# Altium PCB 2CH_PM_Simulator.PcbDoc (part 4 of 4)
Units mm, origin at the board's own origin, x right, y up, seen from the top; angles counter-clockwise.
Board outline 222.37 x 100 mm, 4 copper layers (L1, P2, P3, L4), stack 1.512 mm thick; 245 components, 202 nets, 1071 pads, 517 vias.
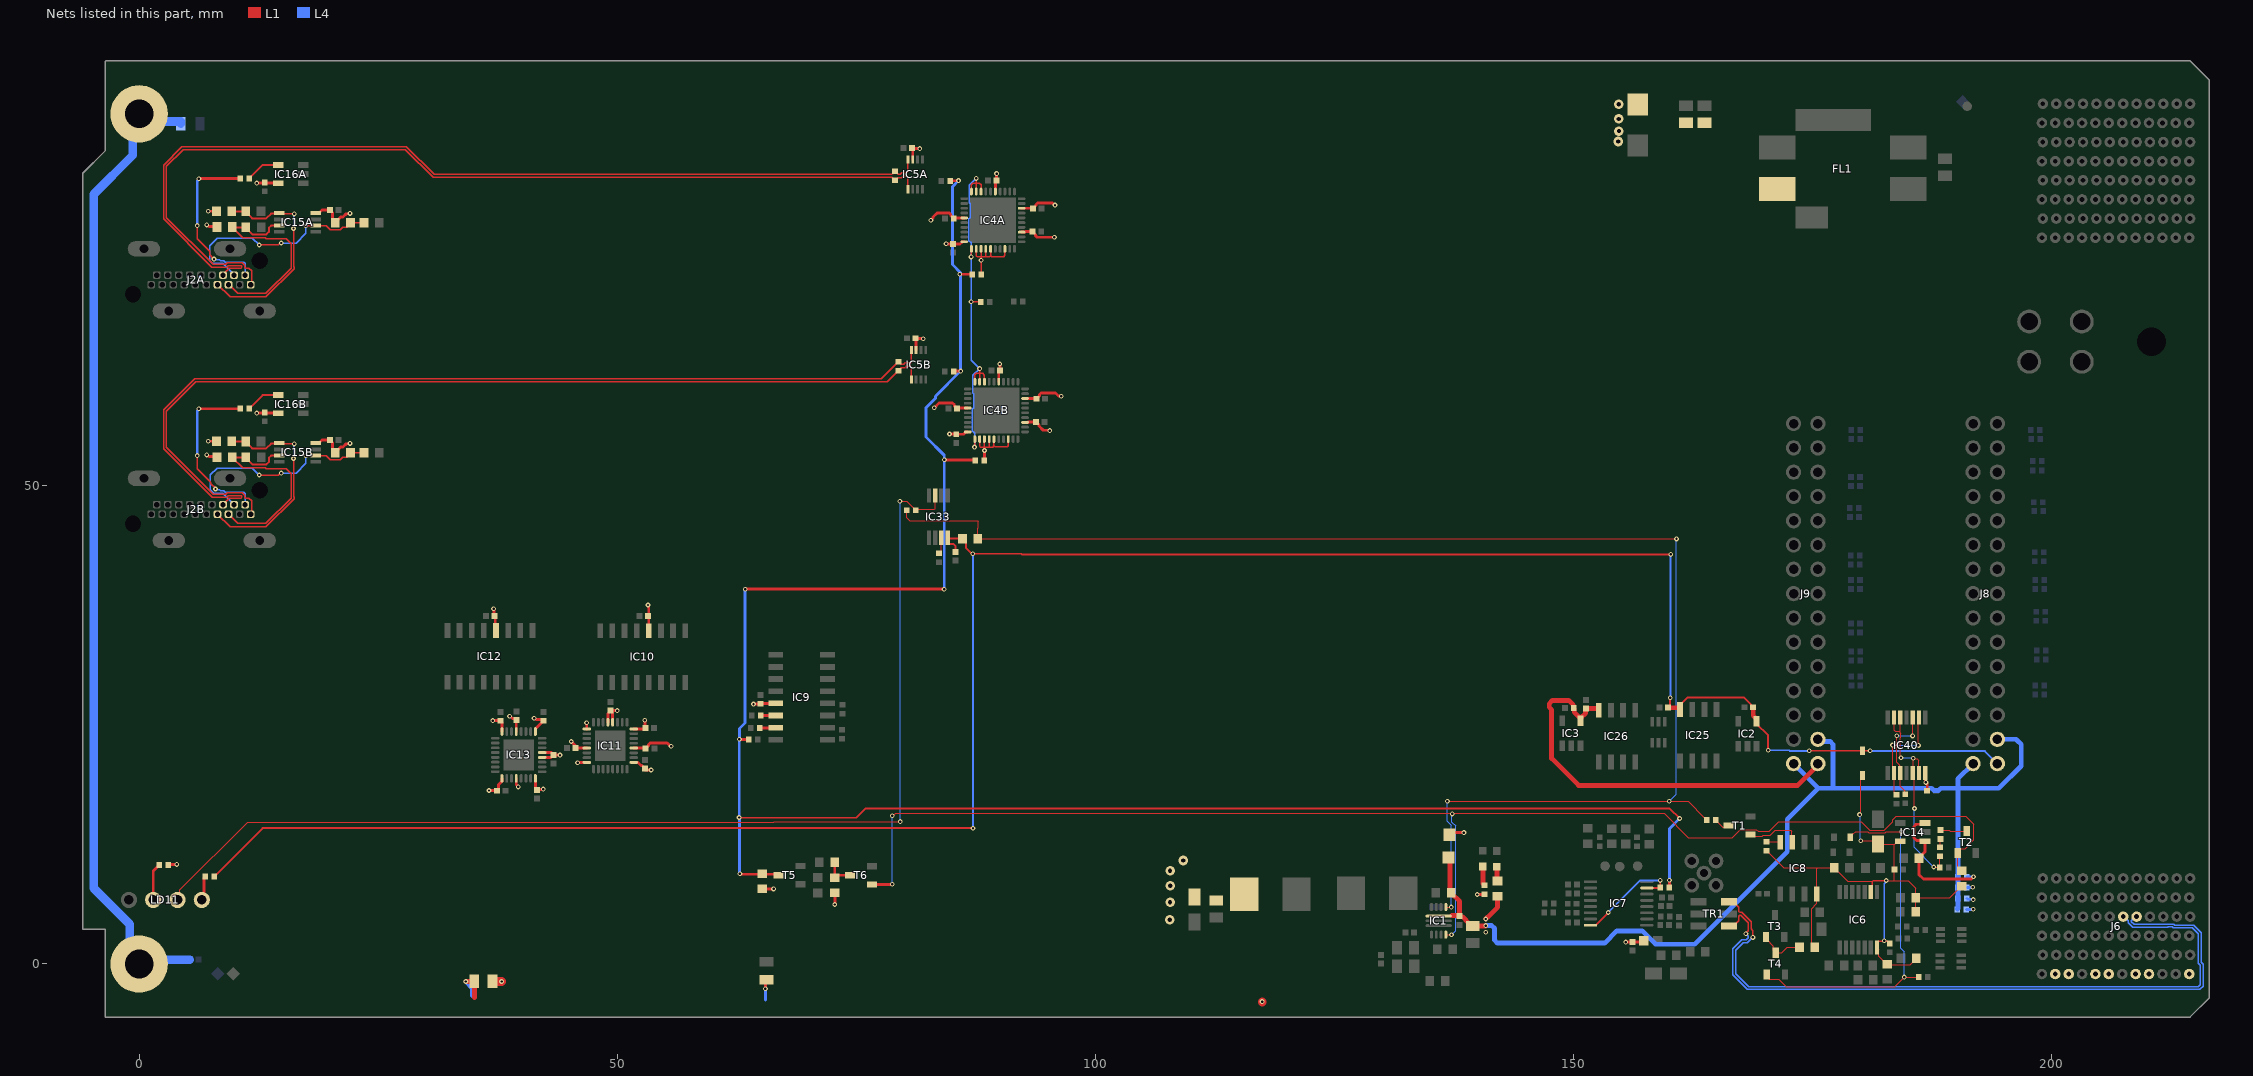
[diagram p6: the nets of this part, all layers, seen from the top]

## Via types
v1: diameter 0.5, hole 0.25, L1 to L4, tented both sides, 491 vias
v2: diameter 1, hole 0.45, L1 to L4, tented both sides, 26 vias

## Nets (pads, with @x,y where several pads share a name; then routed paths per layer and width w, separated by ;. In a path a pad name is that pad's centre, name@x,y a point inside that pad or via, vN(x,y) a via of type N, cw(c..) or ccw(c..) an arc to the next point about the centre after c; other vN are vias at no path point) (continued)
NetIC7_7: IC7.7 IC7.16 R14.2 | length 11.4
  L1 w0.2: IC7.16@151.761,4.05 152.298,4.05 153.619,5.371 v1(153.619,5.385) ; IC7.7@157.661,7.95 159.041,7.95 R14.2@159.067,7.976 159.061,7.982 159.061,8.731 v1(159.055,8.738)
  L4 w0.2: v1(153.619,5.385) 156.972,8.738 v1(159.055,8.738)
NetIC8_4: IC8.4 R32.2 | length 1.4
  L1 w0.125: R32.2@170.18,12.789 171.546,12.789 IC8.4@171.602,12.733
NetIC9_14: IC9.14 R54.1 | length 1.6
  L1 w0.3: R54.1@64.986,25.984 IC9.14@66.566,25.984
NetIC9_15: IC9.15 R52.1 | length 1.7
  L1 w0.3: R52.1@64.91,24.663 64.935,24.689 66.54,24.689 IC9.15@66.566,24.714
NetIC16A_4: IC16A.4 R24A.1 | length 3.7
  L1 w0.2: R24A.1@11.494,82.118 11.494,82.138 12.906,83.551 IC16A.4@14.545,83.551
NetIC16B_4: IC16B.4 R24B.1 | length 3.7
  L1 w0.2: R24B.1@11.494,58.064 11.494,58.084 12.906,59.497 IC16B.4@14.545,59.497
NetIC33_3: IC33.3 LD11.3 R188.1 | length 118.5
  L1 w0.125: LD11.3@4.01,6.7 4.258,6.948 4.258,7.738 11.328,14.808 66.345,14.808 66.421,14.884 v1(79.578,14.884) ; v1(79.553,48.387) 80.271,48.387 81.191,47.467 R188.1@81.191,47.447 81.293,47.549 83.164,47.549 83.238,47.622 IC33.3@83.238,48.987
  L4 w0.125: v1(79.553,48.387) 79.566,48.374 79.566,14.897 v1(79.578,14.884)
NetIC33_7: IC33.7 R194.2 | length 1.8
  L1 w0.125: R194.2@83.617,42.939 83.637,42.939 83.888,43.19 IC33.7@83.888,44.587
NetLD4_2: LD4.2 R224.1 | length 1.5
  L1 w0.5: LD4.2@141.961,10.161 142.002,10.12 142.002,8.716 R224.1@142.043,8.675
NetLD5_2: LD5.2 R225.1 | length 2
  L1 w0.5: LD5.2@140.513,10.199 140.513,8.42 140.631,8.302 140.631,8.282 140.671,8.242 R225.1@140.691,8.242
NetLD11_2: LD11.2 R57.1 | length 3.9
  L1 w0.3: LD11.2@1.47,6.7 1.47,9.718 2.095,10.343 R57.1@2.095,10.363
NetLD11_4: LD11.4 R186.1 | length 2.6
  L1 w0.3: LD11.4@6.55,6.7 6.781,6.931 6.781,9.004 R186.1@6.921,9.144
NetR1_1: R1.1 T2.3 | length 2.8
  L1 w0.125: R1.1@188.366,14.008 189.275,14.008 189.382,13.901 T2.3@191.11,13.901
NetR1_2: R1.2 R55.1 | length 0.9
  L1 w0.125: R55.1@188.316,12.205 188.316,13.017 R1.2@188.366,13.068
NetR4_1: R4.1 T3.1 T4.3 | length 4.8
  L1 w0.125: T3.1@170.119,2.812 170.119,2.612 170.883,1.849 170.883,1.438 T4.3@171.145,1.175 171.787,1.175 172.339,1.727 R4.1@173.622,1.727
NetR16_1: R16.1 R17.2 T6.3 | length 3.3
  L1 w0.3: R16.1@72.72,9.03 R16.1@72.733,9.042 ; R17.2@72.733,10.643 R16.1@72.733,9.042 ; T6.3@74.339,9.271 72.962,9.271 R16.1@72.733,9.042
NetR33_1: R33.1 T1.3 | length 1.7
  L1 w0.125: R33.1@164.859,15.062 164.859,15.042 165.592,14.309 165.923,14.309 166.092,14.478 T1.3@166.211,14.478
nPWDNA: IC4A.32 IC4A.33 IC4A.34 IC4A.35 IC4A.38 R8.1 | length 8.8
  L1 w0.14: IC4A.32@87.531,74.775 87.531,74.021 87.613,73.939 88.034,73.939 ; IC4A.33@88.031,74.775 88.034,74.772 88.034,73.939 ; R8.1@88.049,72.111 88.036,72.123 v1(88.036,73.584) 88.034,73.587 88.034,73.939 ; IC4A.34@88.531,74.775 88.531,73.951 88.519,73.939 ; IC4A.35@89.031,74.775 89.031,74.076 ; IC4A.38@90.531,74.775 90.531,74.097 90.399,73.965 89.142,73.965 89.031,74.076 ; 88.034,73.939 88.519,73.939 ; 88.519,73.939 88.894,73.939 89.031,74.076
nPWDNB: IC4B.32 IC4B.33 IC4B.34 IC4B.35 IC4B.38 R12.1 | length 8.4
  L1 w0.14: IC4B.32@87.887,54.887 87.887,54.133 87.969,54.051 88.389,54.051 ; IC4B.33@88.387,54.887 88.389,54.884 88.389,54.051 ; v1(88.392,53.696) 88.389,53.698 88.389,54.051 ; IC4B.34@88.887,54.887 88.887,54.063 88.875,54.051 ; IC4B.35@89.387,54.887 89.387,54.188 ; IC4B.38@90.887,54.887 90.887,54.209 90.754,54.077 89.498,54.077 89.387,54.188 ; 88.389,54.051 88.875,54.051 ; 88.875,54.051 89.25,54.051 89.387,54.188
  L1 w0.3: R12.1@88.367,52.654 88.379,52.667 88.379,53.683 v1(88.392,53.696)
OUTEN: R8.2 R9.2 R12.2 R13.2 R14.1 R15.1 R56.1 T5.3 | length 214.7
  L1 w0.2: v1(62.738,15.316) 62.763,15.291 74.981,15.291 75.946,16.256 160.045,16.256 v1(161.087,15.215)
  L1 w0.3: v1(62.763,23.495) 62.776,23.482 63.754,23.482 R56.1@63.767,23.47 ; v1(62.814,9.423) 62.852,9.385 66.765,9.385 T5.3@66.864,9.286 ; v1(63.373,39.192) v1(84.176,39.192) ; v1(84.201,52.73) 84.239,52.692 87.389,52.692 R12.2@87.427,52.654 ; R9.2@84.836,81.89 84.849,81.902 85.661,81.902 v1(85.674,81.915) ; R13.2@85.179,61.976 85.192,61.989 85.89,61.989 v1(85.903,62.001) ; v1(85.801,72.136) 85.814,72.123 87.097,72.123 R8.2@87.109,72.111 ; R14.1@160.007,7.976 160.014,7.982 160.014,8.757 v1(160.02,8.763)
  L4 w0.3: v1(62.814,9.423) 62.776,9.461 62.776,15.278 v1(62.738,15.316) 62.751,15.329 62.751,23.457 62.789,23.495 62.789,24.638 63.348,25.197 63.348,39.167 v1(63.373,39.192) ; v1(84.176,39.192) 84.188,39.205 84.188,53.2 82.271,55.118 82.271,58.166 83.261,59.157 83.261,59.36 v1(85.903,62.001) 85.903,72.288 85.039,73.152 85.039,81.28 v1(85.674,81.915) ; v1(160.02,8.763) 160.02,14.148 v1(161.087,15.215)
P3V3: C3A.2 C3B.2 C4A.2 C4B.2 C5A.2 C5B.2 C6A.2 C6B.2 C7A.2 C7B.2 C9A.2 C9B.2 C13A.2 C13B.2 C14A.2 C14B.2 C23.2 C24.2 C25.2 C26.2 C27.2 C28.2 C29.2 C30.2 C31.2 C32.2 C33.2 C34.2 C35.2 C36.2 C37.2 C84.2 C85.1 C298.2 IC4A.3 IC4A.8 IC4A.15 IC4A.25 IC4A.30 IC4B.3 IC4B.8 IC4B.15 IC4B.25 IC4B.30 IC5A.7 IC5B.7 IC9.13 IC10.4 IC11.1 IC11.5 IC11.8 IC11.17 IC11.20 IC11.24 IC11.28 IC11.29 IC12.4 IC13.1 IC13.5 IC13.8 IC13.17 IC13.20 IC13.24 IC13.28 IC13.29 IC15A.8 IC15B.8 IC16A.5 IC16B.5 IC40.14 L1.1 L3.2 R15.2 R16.2 R18A.2 R18B.2 R20A.2 R20B.2 R22A.2 R22B.2 R57.2 R225.2 TP3.1 | length 102
  L1 w0.3: R57.2@3.035,10.363 3.061,10.389 3.912,10.389 v1(3.937,10.414) ; v1(7.066,53.233) 7.121,53.233 7.293,53.061 8.09,53.061 R20B.2@8.141,53.01 ; v1(7.066,77.287) 7.121,77.287 7.293,77.114 8.09,77.114 R20A.2@8.141,77.064 ; v1(7.214,54.661) R18B.2@8.09,54.661 ; v1(7.214,78.715) R18A.2@8.09,78.715 ; v1(12.294,57.607) 12.299,57.602 14.54,57.602 IC16B.5@14.545,57.597 ; v1(12.294,81.661) 12.299,81.656 14.54,81.656 IC16A.5@14.545,81.651 ; IC15B.8@18.456,54.462 18.806,54.462 19.131,54.788 C4B.2@19.939,54.788 20.198,54.529 20.198,53.742 R22B.2@20.498,53.442 20.498,53.492 21.077,54.071 21.327,54.071 21.65,54.394 22.009,54.394 v1(22.047,54.432) ; IC15A.8@18.456,78.516 18.806,78.516 19.131,78.842 C4A.2@19.939,78.842 20.198,78.583 20.198,77.795 R22A.2@20.498,77.495 20.498,77.545 21.077,78.125 21.327,78.125 21.65,78.448 22.009,78.448 v1(22.047,78.486) ; v1(36.576,18.136) 36.589,18.123 37.383,18.123 C36.2@37.396,18.11 37.556,18.27 37.556,18.725 37.937,19.106 IC13.17@37.937,19.406 ; v1(36.982,25.451) 36.991,25.442 37.761,25.442 C30.2@37.77,25.433 37.937,25.266 IC13.8@37.937,24.306 ; v1(37.059,37.135) 37.097,37.097 37.097,36.454 C32.2@37.153,36.398 37.233,36.318 37.233,34.936 IC12.4@37.313,34.856 ; v1(38.735,25.908) 38.789,25.908 39.028,25.669 39.286,25.669 C31.2@39.446,25.509 39.437,25.499 IC13.5@39.437,24.306 ; IC13.20@39.437,19.406 39.437,18.783 39.649,18.571 v1(39.649,18.517) ; v1(41.3,25.705) 41.355,25.705 41.506,25.554 42.144,25.554 C34.2@42.266,25.433 41.681,24.848 41.68,24.848 41.437,24.606 IC13.1@41.437,24.306 ; IC13.24@41.437,19.406 41.437,18.348 C37.2@41.58,18.205 41.625,18.25 42.227,18.25 v1(42.266,18.288) ; IC13.28@42.137,21.606 43.069,21.606 C24.2@43.332,21.869 ; IC13.29@42.137,22.106 43.096,22.106 C24.2@43.332,21.869 ; v1(44.006,21.844) 43.358,21.844 C24.2@43.332,21.869 ; v1(45.187,23.266) 45.872,22.581 IC11.5@46.814,22.581 ; v1(45.847,21.031) 45.901,21.031 45.951,21.081 IC11.8@46.814,21.081 ; v1(46.787,25.222) 46.801,25.208 46.801,24.581 IC11.1@46.814,24.581 ; IC11.29@49.014,25.281 49.014,26.205 C26.2@49.301,26.492 ; IC11.28@49.514,25.281 49.514,26.279 C26.2@49.301,26.492 ; v1(49.987,26.492) C26.2@49.301,26.492 ; IC11.17@51.714,21.081 52.145,21.081 52.321,20.905 ; IC11.20@51.714,22.581 52.915,22.581 C29.2@52.966,22.53 53.279,22.843 53.279,22.955 53.441,23.117 55.213,23.117 55.572,22.758 v1(55.626,22.758) ; IC11.24@51.714,24.581 52.858,24.581 C28.2@52.941,24.663 52.896,24.709 52.896,25.438 v1(52.857,25.476) ; 52.321,20.904 52.483,20.742 52.595,20.742 C25.2@52.908,20.429 ; C25.2@52.908,20.289 v1(53.53,20.289) ; v1(53.213,37.541) 53.213,37.487 53.289,37.411 IC10.4@53.289,34.839 ; v1(64.237,27.178) 64.253,27.194 64.957,27.194 C33.2@64.973,27.211 64.995,27.232 66.544,27.232 IC9.13@66.566,27.254 ; R15.2@65.151,7.849 v1(66.345,7.849) ; R16.2@72.72,7.43 72.746,7.404 v1(72.746,6.223) ; C9A.2@80.816,85.319 C9A.2@80.841,85.293 ; IC5A.7@80.896,84.11 80.896,85.238 C9A.2@80.841,85.293 ; C9B.2@81.171,65.43 C9B.2@81.197,65.405 ; IC5B.7@81.252,64.222 81.252,65.35 C9B.2@81.197,65.405 ; v1(81.636,85.268) 81.61,85.293 C9A.2@80.841,85.293 ; v1(81.991,65.38) 81.966,65.405 C9B.2@81.197,65.405 ; v1(82.793,77.772) 82.793,77.792 83.02,78.02 83.02,78.101 83.459,78.54 84.709,78.54 84.871,78.377 84.871,78.266 C14A.2@85.184,77.953 85.257,78.025 IC4A.25@86.281,78.025 ; v1(83.134,58.166) 83.153,58.166 83.639,58.651 85.065,58.651 85.227,58.489 85.227,58.377 C14B.2@85.54,58.064 85.612,58.137 IC4B.25@86.637,58.137 ; v1(84.379,75.311) 84.395,75.295 85.074,75.295 C7A.2@85.09,75.278 85.85,75.278 86.031,75.459 86.031,75.525 IC4A.30@86.281,75.525 ; v1(84.734,55.423) 84.751,55.406 85.429,55.406 C7B.2@85.446,55.39 86.206,55.39 86.387,55.571 86.387,55.637 IC4B.30@86.637,55.637 ; IC4A.15@89.531,80.775 89.531,81.817 C5A.2@89.655,81.94 89.658,81.944 89.658,82.648 v1(89.662,82.652) ; IC4B.15@89.887,60.887 89.887,61.928 C5B.2@90.01,62.052 90.001,62.061 90.001,62.729 v1(89.992,62.738) ; IC4A.3@92.281,76.525 92.612,76.525 92.668,76.581 C13A.2@93.428,76.581 93.741,76.268 93.741,76.156 93.904,75.994 95.704,75.994 v1(95.707,75.997) ; IC4A.8@92.281,79.025 93.448,79.025 C6A.2@93.479,78.994 93.792,79.307 93.792,79.419 93.954,79.581 95.491,79.581 95.714,79.357 v1(95.768,79.357) ; IC4B.3@92.637,56.637 92.968,56.637 93.024,56.693 C13B.2@93.784,56.693 94.097,56.38 94.097,56.268 94.548,55.817 95.186,55.817 v1(95.225,55.778) ; IC4B.8@92.637,59.137 93.804,59.137 C6B.2@93.835,59.106 94.148,59.419 94.148,59.531 94.31,59.693 95.828,59.693 96.123,59.398 96.38,59.398 v1(96.418,59.36) ; TP3.1@137.008,13.513 137.236,13.741 v1(138.532,13.741) ; v1(139.929,7.264) 139.948,7.283 140.672,7.283 R225.2@140.691,7.302 ; v1(155.448,2.286) 155.457,2.295 156.15,2.295 C23.2@156.159,2.304 157.18,2.304 L1.1@157.314,2.438 ; IC40.14@186.76,19.985 186.804,19.942 186.804,19.029 v1(186.842,18.991) 186.842,18.937 186.977,18.803 C298.2@186.977,18.11
  other v2: 107.772,4.623 107.798,6.452 107.823,8.179 107.798,9.754 109.195,10.82
P3V3_DIOT: C1.2 C10.2 C102.1 D11.2 IC6.2 IC6.14 IC8.8 IC14.5 R2.1 R4.2 R28.2 R30.1 R32.1 R39.1 R40.2 R46.1 | length 64.4
  L1 w0.125: R32.1@170.18,11.849 170.2,11.849 171.991,10.058 175.539,10.058 ; R4.2@175.273,1.676 R4.2@175.222,1.727 174.879,2.07 174.879,5.791 175.412,6.325 IC8.8@175.412,7.333 175.412,9.931 175.539,10.058 ; v1(179.908,15.621) 179.908,15.722 180.026,15.84 180.026,19.518 D11.2@180.213,19.706 ; v1(180.035,12.878) 181.504,12.878 C102.1@181.839,12.543 IC14.5@183.596,12.543 ; 181.229,8.645 178.667,8.645 177.691,9.621 177.641,9.621 177.254,10.008 R39.1@177.254,10.058 175.539,10.058 ; IC6.14@181.731,1.713 181.894,1.55 181.894,0.822 182.728,-0.013 R28.2@182.778,-0.013 182.842,-0.076 183.707,-0.076 183.711,-0.08 185.199,-0.08 185.839,0.56 R46.1@185.839,0.61 ; v1(182.702,8.727) 183.54,8.727 ; IC14.5@184.145,12.842 183.895,12.842 IC14.5@183.596,12.543 ; R30.1@185.763,5.461 185.763,6.909 R2.1@185.788,6.934 ; R40.2@190.602,8.141 190.552,8.141 189.345,6.934 R2.1@185.788,6.934 ; 183.54,8.727 184.998,8.727 185.788,7.938 R2.1@185.788,6.934 ; 183.54,8.727 183.548,8.735 C10.2@183.548,9.881 183.548,12.494 IC14.5@183.596,12.543
  L1 w0.14: IC6.2@181.081,7.513 181.229,7.66 181.229,8.645 181.311,8.727 v1(182.702,8.727) ; IC6.14@181.731,1.713 181.731,2.213 181.886,2.368 182.305,2.368 182.376,2.438 v1(182.474,2.438) 182.571,2.438 182.643,2.366 182.818,2.366 C1.2@183.058,2.126
  L4 w0.125: v1(179.908,15.621) 179.972,15.557 179.972,12.941 v1(180.035,12.878)
  L4 w0.14: v1(182.474,2.438) 182.474,8.401 182.702,8.63 v1(182.702,8.727)
P3V3_MP: C219.2 C245.2 C306.2 D11.1 IC2.4 IC25.8 IC33.8 J8.30 R186.2 R187.2 | length 245
  L1 w0.2: R186.2@7.861,9.144 7.861,9.164 8.051,9.354 8.071,9.354 12.916,14.199 v1(87.198,14.199) ; C245.2@85.369,43.071 85.369,43.681 85.113,43.937 84.663,43.937 84.538,44.062 IC33.8@84.538,44.587 84.649,44.475 R187.2@86.093,44.475 86.443,44.125 86.443,43.528 87.071,42.901 v1(87.173,42.901) 92.227,42.901 92.304,42.824 v1(160.147,42.824) ; C219.2@159.886,26.797 160.096,27.007 160.096,27.288 v1(160.096,27.838) ; IC25.8@161.138,26.627 161.138,26.747 161.138,27.102 161.917,27.881 167.784,27.881 168.566,27.099 168.566,27.058 C306.2@168.776,26.848 ; IC2.4@169.123,25.379 169.123,25.129 170.346,23.907 v1(170.346,22.345) ; v1(174.65,22.301) 180.208,22.301 D11.1@180.213,22.306 180.218,22.301 v1(181,22.301)
  L1 w0.5: C219.2@159.886,26.797 161.088,26.797 IC25.8@161.138,26.747 ; C306.2@168.776,26.848 168.776,25.972 169.069,25.679 169.073,25.679 169.123,25.629 IC2.4@169.123,25.379
  L4 w0.2: v1(87.173,42.901) 87.185,42.888 87.185,14.211 v1(87.198,14.199) ; v1(160.096,27.838) 160.122,27.864 160.122,42.799 v1(160.147,42.824) ; v1(170.346,22.345) 172.524,22.345 172.618,22.25 v1@174.65,22.25 ; v1@181,22.25 193.013,22.25 J8.30@194.313,20.95
P3V3_MP2: C220.2 C307.2 IC3.4 IC26.8 J9.30 | length 43.4
  L1 w0.5: IC3.4@150.708,25.43 150.708,25.68 150.072,26.316 150.072,26.686 C307.2@150.012,26.746 149.952,26.806 149.952,27.086 149.479,27.559 147.785,27.559 147.443,27.217 147.443,26.852 147.701,26.594 147.701,21.488 150.52,18.669 173.425,18.669 175.543,20.787 J9.30@175.543,20.949 ; IC3.4@150.758,25.73 151.248,26.219 151.248,26.65 C220.2@151.308,26.71 152.579,26.71 152.629,26.66 IC26.8@152.629,26.525
P12V0: C86.2 C87.2 C262.2 C263.2 D10.1 FL1.2 IC1.1 J8.28 J8.29 J9.28 J9.29 R154.1 R224.2 R257.2 R260.2 R261.2 R262.2 TP2.1 | length 112.9
  L1 w0.5: TP2.1@136.931,11.151 137.065,11.017 137.065,7.601 R154.1@137.198,7.468 137.198,7.418 138.074,6.541 138.074,5.08 137.262,5.08 ; C86.2@138.074,4.997 138.134,4.937 138.388,4.937 138.761,4.563 138.761,4.508 139.296,3.973 C87.2@139.471,3.973 140.778,3.973 v1(140.818,4.013) ; v1(140.818,4.699) 140.818,4.75 140.923,4.855 140.974,4.855 142.043,5.924 R224.2@142.043,7.075
  L4 w0.5: v1(140.818,4.013) 141.439,4.013 141.732,3.72 141.732,2.477 142.025,2.184 153.264,2.184 154.534,3.454 157.175,3.454 158.572,2.057 162.662,2.057 172.339,11.735 172.339,15.115 175.588,18.364 ; J9.29@173.003,20.949 175.588,18.364 ; J9.28@175.543,23.489 175.753,23.279 176.821,23.279 177.114,22.986 177.114,18.39 177.089,18.364 ; R260.2@190.132,5.715 190.132,5.735 190.183,5.786 R261.2@190.183,6.859 R262.2@190.183,7.979 R257.2@190.183,9.099 190.183,18.364 ; J8.29@191.773,20.95 190.183,19.36 190.183,18.364 ; J8.28@194.313,23.49 196.271,23.49 196.417,23.344 196.799,22.962 196.799,20.701 194.462,18.364 190.183,18.364 ; 175.588,18.364 177.089,18.364 ; 177.089,18.364 187.429,18.364 187.649,18.144 188.169,18.144 188.39,18.364 190.183,18.364
  other v1: 140.818,3.327
  other v2: 154.661,86.004 154.737,87.097 154.711,88.367 154.711,89.891
P12V0_DIOT: C40.2 IC14.1 IC14.3 J6.A1 J6.D1 J6.E1 J6.G1 J6.H1 J6.J1 J6.K1 R257.1 R260.1 R261.1 R262.1 | length 16.3
  L1 w0.3: IC14.3@186.745,14.742 186.608,14.605 185.826,14.605 185.598,14.376 185.598,13.183 185.877,12.903 186.684,12.903 IC14.1@186.745,12.842 186.745,11.726 186.118,11.099 C40.2@186.118,11.074 186.118,9.335 186.576,8.877 191.58,8.877 v1(191.821,9.119)
  L4 w0.3: R260.1@191.072,5.715 v1(191.795,5.715) ; R261.1@191.123,6.859 191.213,6.769 191.757,6.769 v1(191.795,6.731) ; R262.1@191.123,7.979 191.146,8.003 191.721,8.003 v1(191.745,8.026) ; R257.1@191.123,9.099 191.133,9.109 191.811,9.109 v1(191.821,9.119)
PE: IC4A.18 IC4A.19 IC4A.20 IC4A.31 IC4B.18 IC4B.19 IC4B.20 IC4B.31 R10.1 | length 40
  L1 w0.14: v1(86.995,69.24) R10.1@88.024,69.24 ; v1(86.995,73.939) 87.013,73.957 87.013,74.757 IC4A.31@87.031,74.775 ; IC4A.20@87.031,80.775 87.031,81.494 87.173,81.636 87.53,81.636 ; v1(87.351,54.051) 87.369,54.069 87.369,54.869 IC4B.31@87.387,54.887 ; IC4B.20@87.387,60.887 87.387,61.606 87.528,61.747 87.885,61.747 ; v1(87.528,82.144) 87.53,82.142 87.53,81.636 ; IC4A.19@87.531,80.775 87.53,80.776 87.53,81.636 ; v1(87.884,62.255) 87.885,62.254 87.885,61.747 ; IC4B.19@87.887,60.887 87.885,60.888 87.885,61.747 ; IC4A.18@88.031,80.775 88.031,81.463 87.859,81.636 87.53,81.636 ; IC4B.18@88.387,60.887 88.387,61.575 88.214,61.747 87.885,61.747
  L4 w0.14: v1(87.351,54.051) 87.351,55.506 87.117,55.739 87.117,58.015 87.249,58.147 87.249,59.614 87.168,59.695 87.168,61.539 v1(87.884,62.255) 86.995,63.144 v1(86.995,69.24) v1(86.995,73.939) 86.995,75.394 86.761,75.628 86.761,77.903 86.893,78.035 86.893,79.502 86.812,79.583 86.812,81.427 v1(87.528,82.144)
PE_CLK.CLK_N: J6.F4 TR1.1 | length 73.5
  L1 w0.14: TR1.1@166.248,6.502 166.693,6.502 167.27,5.925 167.27,5.464 167.352,5.382 167.592,5.382 168.558,4.416 168.558,3.662 168.748,3.472 v1(168.748,2.781)
  L4 w0.14: v1(168.748,2.781) 168.558,2.781 168.558,2.612 168.166,2.22 167.727,2.22 166.954,1.448 166.954,-1.016 168.3,-2.362 215.341,-2.362 215.524,-2.18 215.524,-0.132 215.312,0.08 215.312,3.167 214.709,3.77 212.725,3.77 212.624,3.871 212.174,3.871 212.133,3.83 208.49,3.83 208.019,4.301 208.019,4.541 207.61,4.95 J6.F4@207.469,4.95
PE_CLK.CLK_P: J6.E4 TR1.3 | length 73.9
  L1 w0.14: TR1.3@166.248,3.962 166.693,3.962 167.27,4.539 167.27,5 167.352,5.082 167.468,5.082 168.259,4.292 168.259,3.485 168.021,3.247 v1(168.021,3.15)
  L4 w0.14: v1(168.021,3.15) 168.021,3.125 168.259,2.888 168.259,2.737 168.042,2.52 167.602,2.52 166.654,1.572 166.654,-1.14 168.176,-2.662 215.465,-2.662 215.824,-2.304 215.824,-0.008 215.612,0.204 215.612,3.291 214.833,4.07 212.85,4.07 212.749,4.171 212.05,4.171 212.009,4.13 208.614,4.13 208.319,4.425 208.319,4.541 208.728,4.95 J6.E4@208.869,4.95
PGOOD: IC1.7 R40.1 T2.1 T6.1 | length 145.5
  L1 w0.125: v1(78.74,15.494) 78.841,15.494 79.095,15.748 137.312,15.748 159.461,15.748 162.001,13.208 166.573,13.208 167.408,14.043 169.114,14.043 169.288,13.868 170.434,13.868 171.45,14.884 180.061,14.884 180.975,13.97 182.459,13.97 183.37,14.882 183.37,15.085 183.754,15.469 191.008,15.469 191.846,14.63 191.846,12.979 190.93,12.063 190.422,12.063 190.16,11.801 T2.1@190.16,11.601 190.16,10.133 190.552,9.741 R40.1@190.602,9.741 ; IC1.7@136.64,3.063 136.655,3.048 v1(137.236,3.048)
  L1 w0.3: T6.1@76.639,8.321 v1@78.74,8.321
  L4 w0.125: v1(78.74,8.331) v1(78.74,15.494) ; v1(137.236,3.048) 137.65,3.462 137.65,14.446 137.274,14.822 137.274,15.659 v1(137.312,15.697)
PM_SPI_CLKA: IC15A.3 J2A.15 R20A.1 R21A.2 | length 23.3
  L1 w0.14: J2A.15@9.343,71.085 10.299,70.129 13.259,70.129 15.876,72.747 15.876,75.332 15.374,75.834 13.294,75.834 13.194,75.934 10.82,75.934 R20A.1@9.741,77.014
  L1 w0.2: R20A.1@9.782,77.022 R21A.2@11.165,77.022 11.165,76.972 11.842,76.295 13.309,76.295 13.557,76.543 13.557,76.968 13.806,77.216 IC15A.3@14.656,77.216
PM_SPI_CLKB: IC15B.3 J2B.15 R20B.1 R21B.2 | length 23.3
  L1 w0.14: J2B.15@9.343,47.031 10.299,46.076 13.259,46.076 15.876,48.693 15.876,51.278 15.374,51.78 13.294,51.78 13.194,51.88 10.82,51.88 R20B.1@9.741,52.96
  L1 w0.2: R20B.1@9.782,52.968 R21B.2@11.165,52.968 11.165,52.918 11.842,52.241 13.309,52.241 13.557,52.49 13.557,52.914 13.806,53.162 IC15B.3@14.656,53.162
PM_SPI_MISOA: J2A.18 R24A.2 | length 18.1
  L1 w0.14: v1(6.071,77.216) 6.071,75.844 7.391,74.524 7.391,74.143 v1(7.823,73.711)
  L1 w0.3: v1(6.248,82.118) R24A.2@10.554,82.118
  L4 w0.14: v1(7.823,73.711) 7.878,73.656 8.379,73.656 8.514,73.521 8.863,73.521 9.003,73.381 10.947,73.381 11.077,73.251 J2A.18@11.077,72.085
  L4 w0.3: v1(6.071,77.216) 6.071,81.886 6.248,82.064 v1(6.248,82.118)
PM_SPI_MISOB: J2B.18 R24B.2 | length 18
  L1 w0.14: v1(6.071,53.162) 6.071,51.791 7.391,50.47 7.411,50.47 7.493,50.388 7.493,50.221 7.984,49.729 v1(7.984,49.671)
  L1 w0.3: v1(6.248,58.064) R24B.2@10.554,58.064
  L4 w0.14: v1(7.984,49.671) 8.053,49.602 8.379,49.602 8.514,49.467 8.863,49.467 9.003,49.327 10.947,49.327 11.077,49.197 J2B.18@11.077,48.031
  L4 w0.3: v1(6.071,53.162) 6.071,57.832 6.248,58.01 v1(6.248,58.064)
PM_SPI_MOSIA: IC15A.6 J2A.16 R22A.1 R23A.2 | length 23.3
  L1 w0.14: v1(12.548,75.184) 14.558,75.184 14.762,75.387 v1(14.859,75.387) ; v1(17.424,77.191) 17.437,77.203 18.443,77.203 IC15A.6@18.456,77.216 19.549,77.216 19.966,76.798 21.029,76.798 21.296,77.065 21.718,77.065 22.098,77.445 R22A.1@22.098,77.495 23.477,77.495 R23A.2@23.509,77.527
  L4 w0.14: J2A.16@9.921,72.085 8.752,73.254 7.648,73.254 7.376,73.526 7.376,75.124 8.158,75.905 11.826,75.905 v1(12.548,75.184) ; v1(14.859,75.387) 16.408,75.387 17.424,76.403 v1(17.424,77.191)
PM_SPI_MOSIB: IC15B.6 J2B.16 R22B.1 R23B.2 | length 23.1
  L1 w0.14: v1(12.548,51.13) 14.558,51.13 14.762,51.333 v1(14.859,51.333) ; v1(17.424,53.137) 17.437,53.149 18.443,53.149 IC15B.6@18.456,53.162 19.549,53.162 19.966,52.745 21.029,52.745 21.296,53.012 21.718,53.012 22.098,53.392 R22B.1@22.098,53.442 23.477,53.442 R23B.2@23.509,53.473
  L4 w0.14: J2B.16@9.921,48.031 8.752,49.2 7.823,49.2 7.442,49.581 7.442,51.136 8.158,51.851 11.826,51.851 v1(12.548,51.13) ; v1(14.859,51.333) 16.408,51.333 17.424,52.349 v1(17.424,53.137)
PM_SPI_SELA: IC15A.1 J2A.13 R18A.1 R19A.2 | length 22.8
  L1 w0.14: J2A.13@8.187,71.085 9.524,69.748 13.255,69.748 16.227,72.72 16.227,72.836 16.143,72.92 v1(16.143,76.911) ; IC15A.1@14.656,78.516 14.696,78.476 16.165,78.476 v1(16.205,78.435)
  L1 w0.2: R18A.1@9.69,78.665 R18A.1@9.69,78.715 9.713,78.691 R19A.2@11.139,78.691 11.139,78.641 11.816,77.964 13.283,77.964 13.785,78.466 14.606,78.466 IC15A.1@14.656,78.516
  L4 w0.14: v1(16.143,76.911) 16.174,76.942 16.174,78.404 v1(16.205,78.435)
PM_SPI_SELB: IC15B.1 J2B.13 R18B.1 R19B.2 | length 22.8
  L1 w0.14: J2B.13@8.187,47.031 9.524,45.695 13.255,45.695 16.227,48.666 16.227,48.782 16.143,48.866 v1(16.143,52.857) ; IC15B.1@14.656,54.462 14.696,54.422 16.165,54.422 v1(16.205,54.381)
  L1 w0.2: R18B.1@9.69,54.611 R18B.1@9.69,54.661 9.713,54.638 R19B.2@11.139,54.638 11.139,54.588 11.816,53.911 13.283,53.911 13.785,54.412 14.606,54.412 IC15B.1@14.656,54.462
  L4 w0.14: v1(16.143,52.857) 16.174,52.888 16.174,54.351 v1(16.205,54.381)
PSU_EN: IC1.8 R33.2 R187.1 R188.2 | length 150.9
  L1 w0.125: R188.2@80.251,47.447 80.251,46.673 80.594,46.33 87.685,46.33 87.758,46.256 87.758,45.617 87.693,45.552 R187.1@87.693,44.475 87.719,44.45 v1(160.757,44.45) ; IC1.8@136.64,5.963 136.66,5.944 v1(137.211,5.944) ; v1(136.804,17.018) v1(159.995,17.018) 161.963,17.018 163.671,15.31 163.691,15.31 163.919,15.082 R33.2@163.919,15.062
  L4 w0.125: v1(136.804,17.018) 136.804,14.935 137.211,14.529 v1(137.211,5.944) ; v1(159.995,17.018) 160.02,17.018 160.757,17.755 v1(160.757,44.45)
RST: IC8.3 T1.1 | length 5.8
  L1 w0.125: T1.1@168.511,13.528 168.68,13.359 169.721,13.359 169.824,13.462 170.586,13.462 171.094,13.97 172.723,13.97 172.796,13.897 172.796,12.809 IC8.3@172.872,12.733
RSTn: D1.1 R133.1 T4.1 | length 38
  L1 w0.125: T4.1@170.195,-1.125 170.195,-1.325 170.458,-1.587 171.44,-1.587 172.24,-2.388 183.566,-2.388 v1(184.582,-1.372) R133.1@186.093,-1.372 ; D1.1@178.929,13.259 178.929,13.359 179.167,13.596 179.267,13.596 179.488,13.818 180.771,13.818 180.871,13.718 182.578,13.718 182.678,13.818 v1(184.252,13.818)
  L4 w0.125: v1(184.252,13.818) 184.226,13.792 184.226,1.651 184.582,1.295 v1(184.582,-1.372)
SERVMOD_3V3: IC40.5 IC40.6 IC40.12 IC40.13 R55.2 R138.1 | length 23.8
  L1 w0.125: IC40.6@183.51,25.785 183.51,24.439 183.634,24.316 184.091,24.316 184.175,24.232 ; IC40.5@184.16,25.785 184.175,25.77 184.175,24.232 ; v1(184.234,21.565) 184.175,21.623 184.175,23.635 184.234,23.694 184.234,24.058 184.175,24.117 184.175,24.232 ; v1(185.649,16.256) 185.623,16.282 185.623,19.823 IC40.12@185.46,19.985 185.522,20.047 v1(185.522,21.514) 185.593,21.442 185.933,21.442 186.11,21.264 IC40.13@186.11,19.985 ; v1(187.655,10.135) 188.277,10.135 R138.1@188.303,10.109 ; R138.1@188.29,10.122 188.29,11.239 R55.2@188.316,11.265
  L4 w0.125: v1(184.234,21.565) 184.259,21.539 185.496,21.539 v1(185.522,21.514) ; v1(185.649,16.256) 185.598,16.205 185.598,12.192 v1(187.655,10.135)
STRIP1: C212.1 M3.1 M4.1 R120.2 R126.1 | length 107.5
  L1 w0.5: v1(34.163,-1.829) 35.019,-1.829 35.052,-1.862 35.052,-3.505
  L4 w0.5: v1(34.163,-1.829) 34.849,-2.515 34.849,-3.302
  L4 w0.9: R126.1@4.348,87.85 4.348,88.075 4.323,88.1 0.8,88.1 M3.1@0,88.9 -0.692,88.208 -0.692,84.55 -4.75,80.493 -4.75,7.93 -0.976,4.156 -0.976,0.976 M4.1@0,0 0.45,0.45 C212.1@5.298,0.45
STRIP2: R119.1 | length 2.2
  L1 w0.3: v1(65.481,-2.591) 65.481,-1.763 R119.1@65.583,-1.661
  L4 w0.3: v1(65.481,-2.591) 65.507,-2.616 65.507,-3.759
STRIP3: R120.1 | length 1
  L1 w0.9: R120.1@36.948,-1.8 36.977,-1.829 v1(37.897,-1.829) ; v1@117.424,-4.013 v1(117.424,-3.937)
Switch_I2C.SCL: IC40.2 IC40.9 R77.2 | length 11
  L1 w0.125: v1(183.355,22.885) 183.355,20.141 IC40.9@183.51,19.985 183.51,17.944 183.738,17.717 R77.2@183.744,17.717 ; v1(186.055,22.86) 186.055,25.73 IC40.2@186.11,25.785
  L4 w0.125: v1(183.355,22.885) 183.368,22.873 186.042,22.873 v1(186.055,22.86)
Switch_I2C.SDA: IC40.3 IC40.10 R3.2 | length 10.2
  L1 w0.125: v1(183.794,23.876) 183.794,21.107 184.099,20.803 184.099,20.047 IC40.10@184.16,19.985 184.16,18.597 184.633,18.125 184.633,17.691 R3.2@184.683,17.742 ; v1(185.445,23.851) 185.445,25.77 IC40.3@185.46,25.785
  L4 w0.125: v1(183.794,23.876) 183.807,23.863 185.433,23.863 v1(185.445,23.851)
TCM_CLKA_N: IC5A.1 J2A.19 R25A.1 | length 99.4
  L1 w0.14: J2A.19@11.655,71.085 11.747,71.177 11.747,72.48 11.471,72.755 11.122,72.755 11.04,72.837 11.04,73.077 10.783,73.335 9.195,73.335 9.037,73.177 7.724,73.177 2.85,78.052 2.85,83.418 4.597,85.166 27.821,85.166 30.727,82.26 78.723,82.26 78.805,82.178 78.805,82.16 79.025,81.94 R25A.1@79.045,81.94 79.065,81.94 79.352,82.227 79.73,82.227 79.88,82.377 80.307,82.377 80.389,82.295 80.389,81.018 IC5A.1@80.396,81.01
TCM_CLKA_P: IC5A.8 J2A.14 R25A.2 | length 99.9
  L1 w0.14: J2A.14@8.765,72.085 9.435,72.755 10.658,72.755 10.74,72.837 10.74,72.953 10.658,73.035 9.319,73.035 9.161,72.877 7.6,72.877 2.55,77.928 2.55,83.543 4.473,85.466 27.945,85.466 30.851,82.56 78.723,82.56 78.805,82.642 78.805,82.66 79.025,82.88 R25A.2@79.045,82.88 79.065,82.88 79.352,82.593 79.579,82.593 79.729,82.743 80.307,82.743 80.396,82.833 IC5A.8@80.396,84.11
TCM_CLKB_N: IC5B.1 J2B.19 R25B.1 | length 97.9
  L1 w0.14: J2B.19@11.655,47.031 11.747,47.123 11.747,48.426 11.471,48.701 11.122,48.701 11.04,48.783 11.04,49.024 10.783,49.281 9.195,49.281 9.037,49.124 7.747,49.124 2.85,54.021 2.85,57.815 5.923,60.889 78.237,60.889 79.16,61.812 79.16,61.832 79.38,62.052 79.42,62.052 79.707,62.339 80.086,62.339 80.236,62.489 80.662,62.489 80.744,62.407 80.744,61.13 IC5B.1@80.752,61.122
TCM_CLKB_P: IC5B.8 J2B.14 R25B.2 | length 98.6
  L1 w0.14: J2B.14@8.765,48.031 9.435,48.701 10.658,48.701 10.74,48.783 10.74,48.899 10.658,48.981 9.319,48.981 9.161,48.824 7.623,48.824 2.55,53.897 2.55,57.939 5.799,61.189 77.577,61.189 79.38,62.992 79.42,62.992 79.707,62.705 79.934,62.705 80.084,62.855 80.662,62.855 80.752,62.945 IC5B.8@80.752,64.222
pads on no net: D5.5 D6.4 D6.5 D8.5 FTG1.FTG2 FTG2.1 FTG3.1 FTG4.1 IC2.5 IC3.5 IC4A.13 IC4A.14 IC4A.17 IC4A.36 IC4A.37 IC4B.13 IC4B.14 IC4B.17 IC4B.36 IC4B.37 IC7.3 IC9.5 IC9.6 IC9.7 IC9.8 IC9.10 IC9.11 IC11.3 IC11.22 IC11.26 IC11.31 IC12.9 IC12.10 IC12.11 IC12.12 IC13.3 IC13.14 IC13.15 IC13.19 IC13.21 IC13.22 IC13.23 IC13.25 IC13.26 IC13.27 IC13.31 IC14.4 IC16A.1 IC16B.1 IC25.7 IC26.7 J2A.H1 J2A.H2 J2B.H1 J2B.H2 J6.B1 J6.G3 J6.H3 J6.I2 J6.J3 J6.K3 J6.L2 J7.A3 J7.A5 J7.A7 J7.A8 J7.B2 J7.B3 J7.B4 J7.B5 J7.B6 J7.B7 J7.B8 J7.C2 J7.C4 J7.C6 J7.C8 J7.D3 J7.D5 J7.D7 J7.D8 J7.E2 J7.E3 J7.E4 J7.E5 J7.E6 J7.E7 J7.E8 J7.F2 J7.F4 J7.F6 J7.F8 J7.G3 J7.G5 J7.G7 J7.H2 J7.H3 J7.H4 J7.H5 J7.H6 J7.H7 J7.H8 J7.I2 J7.I4 J7.I6 J7.I8 J7.J3 J7.J5 J7.J7 J7.K2 J7.K3 J7.K4 J7.K5 J7.K6 J7.K7 J7.K8 J7.L2 J7.L4 J7.L6 J7.L8 J10.5 TR1.2 TR1.5

## Polygon pours and split planes (outlines as drawn)
P12V0 on L1 "P12V0_L01_P251" (solid, remove dead copper, pour order 251): 170.028,78.41 166.649,78.41 161.011,84.049 154.915,84.049 154,84.963 154,88.976 154,90.678 155.118,91.796 164.617,91.796 165.887,90.526 165.887,84.912 168.453,82.347 168.859,82.347
GND on L1 "GND_L01_P245" (solid, pour order 245): 167.462,87.249 167.462,83.718 168.123,83.058 174.346,83.058 175.26,83.972 175.26,86.69 174.295,87.655 167.869,87.655
P12V0 on L1 "P12V0_L01_P246" (solid, remove dead copper, pour order 246): 167.564,82.55 167.564,79.019 168.224,78.359 174.447,78.359 175.362,79.273 175.362,81.991 174.396,82.956 167.97,82.956
NetC264_2 on L1 "NETC264_2_L01_P244" (solid, pour order 244): 181.407,82.601 181.407,79.07 182.067,78.41 188.29,78.41 190.119,80.239 190.119,83.007 181.813,83.007
NetC264_1 on L1 "NETC264_1_L01_P243" (solid, pour order 243): 181.254,87.478 181.254,83.947 181.915,83.287 190.195,83.287 190.195,85.776 188.087,87.884 181.661,87.884
P3V3 on L1 "P3V3_L01_P241" (solid, pour order 241): 107.544,1.575 115.494,1.575 117.627,3.708 117.627,9.754 115.748,11.633 108.407,11.633 106.883,10.109 106.883,2.235 107.518,1.6
3V3 on L1 "3V3_L01_P239" (solid, pour order 239): 124.638,11.405 128.016,11.405 128.422,10.998 128.422,7.925 132.537,3.81 132.537,-1.575 131.445,-2.667 122.301,-2.667 119.583,0.051 119.583,10.592 120.472,11.481 122.809,11.481 123.596,10.693 123.596,2.057 124.536,1.118 130.023,1.118 130.023,1.753 129.946,1.829 125.552,1.829 124.054,3.327 124.054,10.795 124.612,11.354
GND on L1 "GND_L01_P237" (solid, remove dead copper, pour order 237): 132.715,4.521 138.506,4.521 139.37,3.658 140.487,3.658 140.868,3.277 140.868,0.584 138.379,-1.905 132.461,-1.905 132.461,4.191 132.766,4.496
STRIP1 on L1 "esd1" (solid, pour order 171): -2.752,1.525 4.373,1.525 4.373,-3 36.998,-3 36.998,-4.5 -2.752,-4.5
STRIP2 on L1 "esd1" (solid, pour order 173): 79.931,-4.55 96.998,-4.55 96.998,-3.281 41.998,-3.281 41.998,-4.55
STRIP3 on L1 "STRIP3_L01_P172" (solid, pour order 172): 214.531,-4.55 214.548,-4.55 215.788,-3.31 116.998,-3.31 116.998,-4.55
P12V0 on L4 "L4-P12V0" (solid, pour order 250): 190.957,13.665 197.764,20.472 197.764,23.47 196.469,24.765 174.193,24.765 165.481,16.053 165.481,9.119 161.595,5.232 145.999,5.232 145.999,75.921 154.102,84.023 155.981,84.023 155.981,91.364 150.419,91.364 140.081,81.026 140.081,4.928 140.005,4.851 140.081,4.775 140.081,2.286 141.986,0.381 163.728,0.381 179.502,16.154 187.579,16.154 189.179,14.554 189.179,5.766 189.789,5.156 190.957,5.207
NetC264_1 on L4 "NETC264_1_L04_P248" (solid, pour order 248): 181.61,83.388 189.027,83.388 189.814,82.601 189.814,78.588 200.406,67.996 200.406,62.306 201.828,60.884 204.775,60.884 206.248,62.357 206.248,67.005 197.002,76.251 197.002,82.398 191.795,87.605 181.762,87.605 181.178,87.02 181.178,83.668 181.254,83.668 181.483,83.439
NetC264_2 on L4 "NETC264_2_L04_P247" (solid, pour order 247): 181.483,83.134 188.29,83.134 189.357,82.067 189.357,78.207 200.05,67.513 200.05,62.357 198.806,61.112 196.494,61.112 195.859,61.747 195.859,67.31 184.861,78.308 182.524,78.308 181.229,79.604 181.229,82.88 181.508,83.16
GND on L4 "GND_L04_P234" (solid, remove dead copper, pour order 234): 196.526,50.63 196.526,44.705 214.301,44.705 214.301,50.63
STRIP3 on L4 "STRIP3_L04_P175" (solid, pour order 175): 214.531,-4.55 214.548,-4.55 215.788,-3.31 116.998,-3.31 116.998,-4.55
STRIP2 on L4 "esd1" (solid, pour order 176): 79.931,-4.55 96.998,-4.55 96.998,-3.281 41.998,-3.281 41.998,-4.55
STRIP1 on L4 "esd1" (solid, pour order 147): -2.752,0.94 4.373,0.94 4.373,-3 36.998,-3 36.998,-4.5 -2.752,-4.5
P3V3 on P3 (split plane): 215.867,92.201 215.867,1.065 193.881,1.065 193.648,1.298 193.648,9.906 193.639,9.971 193.614,10.032 193.574,10.084 193.066,10.592 193.014,10.632 192.953,10.658 192.888,10.666 191.618,10.666 191.552,10.658 191.492,10.632 191.439,10.592 190.322,9.475 190.282,9.422 190.256,9.362 190.248,9.296 190.248,4.445 190.256,4.38 190.282,4.319 190.322,4.267 191.238,3.35 191.238,-4.948 -2.968,-4.948 -2.968,3.65 -2.976,3.744 -2.998,3.836 -3.034,3.923 -3.083,4.004 -3.144,4.076 -3.216,4.137 -3.297,4.186 -3.384,4.222 -3.476,4.244 -3.57,4.252 -5.298,4.252 -5.298,82.446 -3.144,84.6 -3.083,84.671 -3.034,84.752 -2.998,84.839 -2.98,84.913 -2.976,84.931 -2.968,85.025 -2.968,93.848 214.22,93.848
P12V0_DIOT on P3 (split plane): 193.143,9.802 193.143,1.194 193.152,1.129 193.177,1.068 193.217,1.015 193.598,0.634 193.651,0.594 193.711,0.569 193.777,0.561 215.867,0.561 215.867,-3.301 214.22,-4.948 191.743,-4.948 191.743,3.454 191.734,3.52 191.709,3.58 191.686,3.61 191.669,3.633 190.752,4.549 190.752,9.192 191.722,10.162 192.783,10.162
GND on P2 (split plane): 215.867,92.201 215.867,-3.301 214.22,-4.948 119.226,-4.948 119.226,-3.48 119.217,-3.415 119.192,-3.354 119.152,-3.301 118.568,-2.717 118.515,-2.677 118.455,-2.652 118.389,-2.643 39.347,-2.643 39.038,-2.334 39.038,-1.321 39.029,-1.256 39.004,-1.195 38.964,-1.142 38.278,-0.457 38.226,-0.417 38.165,-0.391 38.1,-0.383 36.474,-0.383 36.409,-0.391 36.348,-0.417 36.296,-0.457 35.559,-1.193 35.519,-1.246 35.494,-1.306 35.486,-1.372 35.486,-4.948 -2.968,-4.948 -2.968,3.65 -2.976,3.744 -2.998,3.836 -3.034,3.923 -3.083,4.004 -3.144,4.076 -3.216,4.137 -3.297,4.186 -3.384,4.222 -3.476,4.244 -3.57,4.252 -5.298,4.252 -5.298,82.446 -3.144,84.6 -3.083,84.671 -3.034,84.752 -2.998,84.839 -2.98,84.913 -2.976,84.931 -2.968,85.025 -2.968,93.848 214.22,93.848
STRIP3 on P2 (split plane): 38.534,-1.425 38.534,-2.438 38.542,-2.504 38.567,-2.564 38.607,-2.617 39.065,-3.074 39.087,-3.091 39.117,-3.114 39.178,-3.139 39.243,-3.148 118.285,-3.148 118.721,-3.584 118.721,-4.948 35.99,-4.948 35.99,-1.476 36.579,-0.887 37.996,-0.887

## Keep-outs
Keep-Out Layer:
  drawing of 8336 lines, arcs and shapes, not listed

## Other copper
L1:
  rectangle net GND: 175.92,85.7 178.486,90.881
  rectangle net P12V0: 140.487,2.921 141.173,5.105
L4:
  rectangle net P12V0: 140.487,2.921 141.173,5.08
P2 (plane layer: these items are gaps in the copper):
  lines w0.5: 35.738,-5.41 35.738,-1.372 36.474,-0.635 38.1,-0.635 38.786,-1.321 38.786,-2.438 39.243,-2.896 118.389,-2.896 118.974,-3.48 118.974,-5.334
P3 (plane layer: these items are gaps in the copper):
  lines w0.5: 191.491,-5.563 191.491,3.454 190.5,4.445 190.5,9.296 191.618,10.414 192.888,10.414 193.396,9.906 193.396,1.194 193.777,0.813 216.179,0.813

## Silkscreen, mask and mechanical layers (free items; w line width, h text height)
TopOverlay:
  text "WUT ISE 2024" at 112.217,64.186 h1.02
  text "EEM 0" at 190.119,62.205 h1
  text "EEM 1" at 172.713,62.173 h1
  text "2CH PM |Simulator" at 106.858,58.826 h1.5
  text "P3V3" at 130.893,13.169 h1
  text "CLK IN" at 159.08,12.217 h1.2
  text "P12V0" at 130.937,11.455 h1
  text "FPGA DONE" at 11.498,-2.3 h1
BottomOverlay:
  text "WUT ISE 2024" at 124.608,63.293 h1.02
  text "2CH PM |Simulator" at 131.992,55.416 h1.5
TopSolder:
  rectangle: -2.379,-4.947 -0.202,-3.15
  rectangle: -0.202,-4.947 1.975,-3.175
  rectangle: 1.448,-4.947 216.417,-3.15
  region: 202.467,46.205 202.467,42.705 216.43,42.705 216.43,46.205
BottomSolder:
  rectangle: -2.379,-4.947 -0.202,-3.15
  rectangle: -0.202,-4.947 1.975,-3.175
  rectangle: 1.367,-4.947 216.417,-3.15
  region: 202.467,46.205 202.467,42.705 216.43,42.705 216.43,46.205
Mechanical 1:
  the board outline again, w0.05
Mechanical 2:
  lines w0.1: -6.114,-19.788 -6.114,102.894
Mechanical 13:
  lines w0.01: -6.352,-6.334 -6.352,75.374
Drill Drawing:
  drawing of 307 lines, arcs and shapes, not listed
  text "Layer" at 52.641,140.279 h1.52
  text "Name" at 63.053,140.279 h1.52
  text "Material" at 85.145,140.279 h1.52
  text "Thickness" at 106.983,140.279 h1.52
  text "Constant" at 123.489,140.279 h1.52
  text "Gerber" at 137.964,140.279 h1.52
  text "Board Layer Stack" at 149.899,140.279 h1.52
  text "TopOverlay" at 63.053,137.231 h1.52
  text "GTO" at 137.964,137.231 h1.52
  text "TopSolder" at 63.053,134.183 h1.52
  text "Solder Resist" at 85.145,134.183 h1.52
  text "0.025mm" at 106.983,134.183 h1.52
  text "3.7" at 123.489,134.183 h1.52
  text "GTS" at 137.964,134.183 h1.52
  text "1" at 52.641,131.135 h1.52
  text "L1" at 63.053,131.135 h1.52
  text "0.035mm" at 106.983,131.135 h1.52
  text "GTL" at 137.964,131.135 h1.52
  text "Dielectric1" at 63.053,128.087 h1.52
  text "FR-4" at 85.145,128.087 h1.52
  text "0.138mm" at 106.983,128.087 h1.52
  text "4.3" at 123.489,128.087 h1.52
  text "2" at 52.641,125.039 h1.52
  text "P2" at 63.053,125.039 h1.52
  text "0.018mm" at 106.983,125.039 h1.52
  text "GP1" at 137.964,125.039 h1.52
  text "Dielectric3" at 63.053,121.991 h1.52
  text "FR-4" at 85.145,121.991 h1.52
  text "1.130mm" at 106.983,121.991 h1.52
  text "4.6" at 123.489,121.991 h1.52
  text "3" at 52.641,118.943 h1.52
  text "P3" at 63.053,118.943 h1.52
  text "0.018mm" at 106.983,118.943 h1.52
  text "GP2" at 137.964,118.943 h1.52
  text "Dielectric5" at 63.053,115.895 h1.52
  text "FR-4" at 85.145,115.895 h1.52
  text "0.138mm" at 106.983,115.895 h1.52
  text "4.3" at 123.489,115.895 h1.52
  text "4" at 52.641,112.847 h1.52
  text "L4" at 63.053,112.847 h1.52
  text "0.035mm" at 106.983,112.847 h1.52
  text "GBL" at 137.964,112.847 h1.52
  text "BottomSolder" at 63.053,109.799 h1.52
  text "Solder Resist" at 85.145,109.799 h1.52
  text "0.025mm" at 106.983,109.799 h1.52
  text "3.7" at 123.489,109.799 h1.52
  text "GBS" at 137.964,109.799 h1.52
  text "BottomOverlay" at 63.053,106.751 h1.52
  text "GBO" at 137.964,106.751 h1.52

## Text inside footprints (layer, text, board x,y; h text height)
J2A: TopOverlay "1" at 0.553,70.031 h1.2 r270; TopOverlay "2" at -0.247,73.131 h1.2 r270; Mechanical 14 "1" at 0.553,70.031 h1.2 r270; Mechanical 14 "2" at -0.247,73.131 h1.2 r270; Mechanical 8 "Interior Side Of Back Panel" at -9.947,76.231 h0.5 r270
J2B: TopOverlay "1" at 0.553,46.031 h1.2 r270; TopOverlay "2" at -0.247,49.131 h1.2 r270; Mechanical 14 "1" at 0.553,46.031 h1.2 r270; Mechanical 14 "2" at -0.247,49.131 h1.2 r270; Mechanical 8 "Interior Side Of Back Panel" at -9.947,52.231 h0.5 r270
J6: TopOverlay "A" at 214.869,-4.25 h1 r90; TopOverlay "B" at 213.469,-4.25 h1 r90; TopOverlay "C" at 212.069,-4.25 h1 r90; TopOverlay "D" at 210.669,-3.25 h1 r90; TopOverlay "E" at 209.269,-3.25 h1 r90; TopOverlay "F" at 207.869,-3.25 h1 r90; TopOverlay "G" at 206.469,-3.25 h1 r90; TopOverlay "H" at 205.069,-3.25 h1 r90; TopOverlay "I" at 203.669,-3 h1 r90; TopOverlay "J" at 202.269,-3.25 h1 r90; TopOverlay "K" at 200.869,-3.25 h1 r90; TopOverlay "L" at 199.469,-3.25 h1 r90; TopOverlay "1" at 194.419,-1.4 h1 r90; TopOverlay "2" at 194.419,0.6 h1 r90; TopOverlay "3" at 194.419,2.6 h1 r90; TopOverlay "4" at 194.419,4.6 h1 r90; TopOverlay "5" at 194.419,6.6 h1 r90; TopOverlay "6" at 194.419,8.6 h1 r90; Drill Drawing "PRESS-FIT TECHNOLOGY" at 215.119,11.45 h1 r180; Drill Drawing "Diam. 0.5mm +/-0.05" at 215.119,12.95 h1 r180; Mechanical 14 "A" at 214.869,-4.25 h1 r90; Mechanical 14 "B" at 213.469,-4.25 h1 r90; Mechanical 14 "C" at 212.069,-4.25 h1 r90; Mechanical 14 "D" at 210.669,-3.25 h1 r90; Mechanical 14 "E" at 209.269,-3.25 h1 r90; Mechanical 14 "F" at 207.869,-3.25 h1 r90; Mechanical 14 "G" at 206.469,-3.25 h1 r90; Mechanical 14 "H" at 205.069,-3.25 h1 r90; Mechanical 14 "I" at 203.669,-3 h1 r90; Mechanical 14 "J" at 202.269,-3.25 h1 r90; Mechanical 14 "K" at 200.869,-3.25 h1 r90; Mechanical 14 "L" at 199.469,-3.25 h1 r90; Mechanical 14 "1" at 194.419,-1.4 h1 r90; Mechanical 14 "2" at 194.419,0.6 h1 r90; Mechanical 14 "3" at 194.419,2.6 h1 r90; Mechanical 14 "4" at 194.419,4.6 h1 r90; Mechanical 14 "5" at 194.419,6.6 h1 r90; Mechanical 14 "6" at 194.419,8.6 h1 r90; Mechanical 8 "Top Surface of Mother Board" at 228.719,-0.425 h0.5 r90; Mechanical 8 "Edge of Daugher Card" at 217.219,0.725 h0.5 r90
J7: TopOverlay "7" at 194.419,87.6 h1 r90; TopOverlay "8" at 194.419,89.6 h1 r90; TopOverlay "6" at 194.419,85.6 h1 r90; TopOverlay "5" at 194.419,83.6 h1 r90; TopOverlay "4" at 194.419,81.6 h1 r90; TopOverlay "3" at 194.419,79.6 h1 r90; TopOverlay "2" at 194.419,77.6 h1 r90; TopOverlay "1" at 194.419,75.6 h1 r90; TopOverlay "L" at 199.469,73.75 h1 r90; TopOverlay "K" at 200.869,73.75 h1 r90; TopOverlay "J" at 202.269,73.75 h1 r90; TopOverlay "I" at 203.669,74 h1 r90; TopOverlay "H" at 205.069,73.75 h1 r90; TopOverlay "G" at 206.469,73.75 h1 r90; TopOverlay "F" at 207.869,73.75 h1 r90; TopOverlay "E" at 209.269,73.75 h1 r90; TopOverlay "D" at 210.669,73.75 h1 r90; TopOverlay "C" at 212.069,72.75 h1 r90; TopOverlay "B" at 213.469,72.75 h1 r90; TopOverlay "A" at 214.869,72.75 h1 r90; Drill Drawing "Diam. 0.5mm +/-0.05" at 215.119,93.95 h1 r180; Drill Drawing "PRESS-FIT TECHNOLOGY" at 215.119,92.45 h1 r180; Mechanical 14 "7" at 194.419,87.6 h1 r90; Mechanical 14 "8" at 194.419,89.6 h1 r90; Mechanical 14 "6" at 194.419,85.6 h1 r90; Mechanical 14 "5" at 194.419,83.6 h1 r90; Mechanical 14 "4" at 194.419,81.6 h1 r90; Mechanical 14 "3" at 194.419,79.6 h1 r90; Mechanical 14 "2" at 194.419,77.6 h1 r90; Mechanical 14 "1" at 194.419,75.6 h1 r90; Mechanical 14 "L" at 199.469,73.75 h1 r90; Mechanical 14 "K" at 200.869,73.75 h1 r90; Mechanical 14 "J" at 202.269,73.75 h1 r90; Mechanical 14 "I" at 203.669,74 h1 r90; Mechanical 14 "H" at 205.069,73.75 h1 r90; Mechanical 14 "G" at 206.469,73.75 h1 r90; Mechanical 14 "F" at 207.869,73.75 h1 r90; Mechanical 14 "E" at 209.269,73.75 h1 r90; Mechanical 14 "D" at 210.669,73.75 h1 r90; Mechanical 14 "C" at 212.069,72.75 h1 r90; Mechanical 14 "B" at 213.469,72.75 h1 r90; Mechanical 14 "A" at 214.869,72.75 h1 r90; Mechanical 8 "Edge of Daugher Card" at 217.219,79.725 h0.5 r90; Mechanical 8 "Top Surface of Mother Board" at 228.719,78.575 h0.5 r90
J8: TopOverlay "30" at 195.71,21.585 h1.02 r270; Mechanical 14 "30" at 195.71,21.585 h1.02 r270
J9: TopOverlay "30" at 176.94,21.584 h1.02 r270; Mechanical 14 "30" at 176.94,21.584 h1.02 r270
J10: TopOverlay "1" at 202.189,69.55 h1.2 r270; Mechanical 14 "1" at 202.189,69.55 h1.2 r270